# Altium PCB PMSM_LCP037_V1.11.PcbDoc (part 2 of 2)
Units mil, origin at the board's own origin, x right, y up, seen from the top; angles counter-clockwise.
Board outline 6102.36 x 5157.48 mil, 2 copper layers (Top Layer, Bottom Layer); 103 components, 55 nets, 270 pads, 892 vias.
Unrouted connection lines stored in the file: 2.
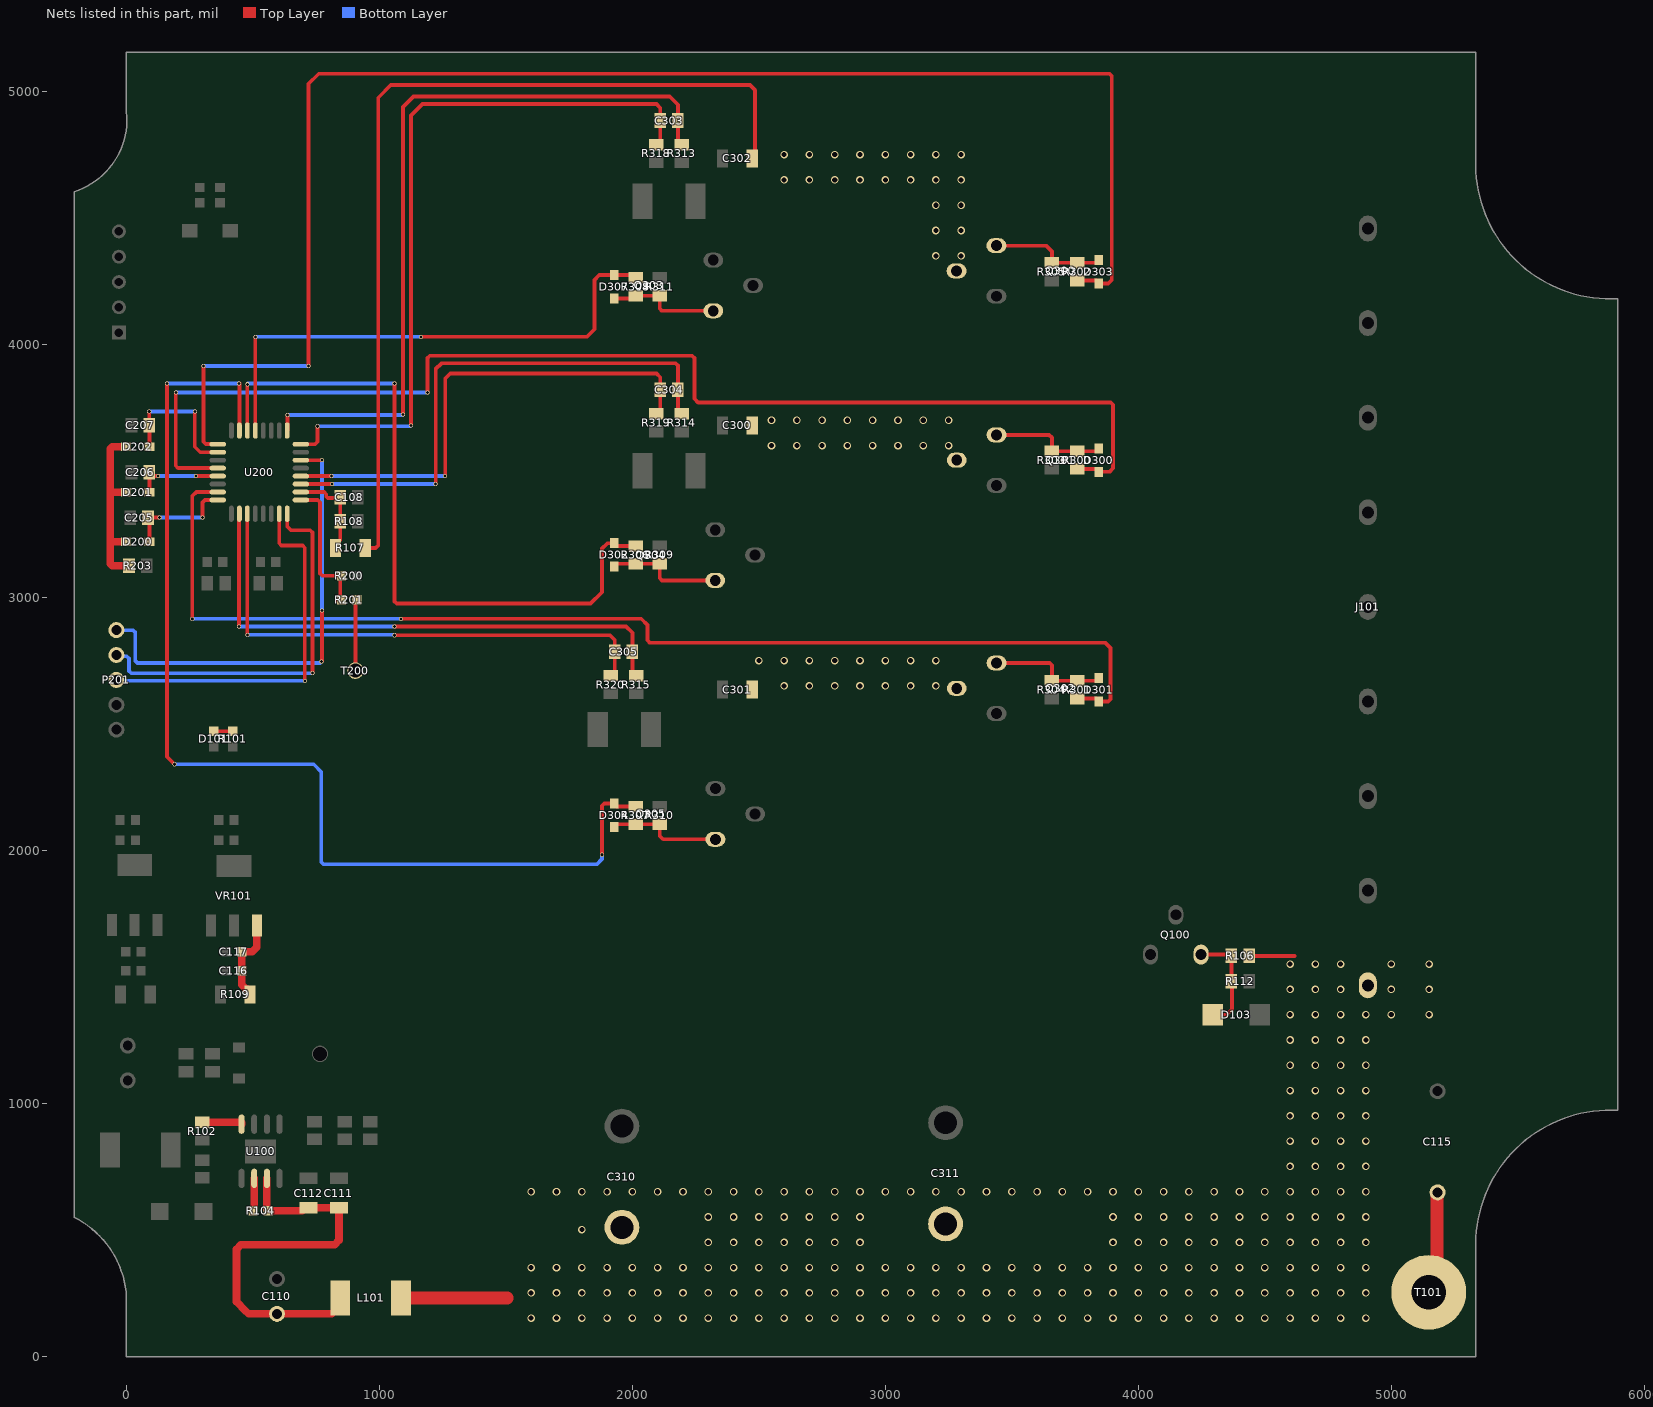
[diagram p2: the nets of this part, all layers, seen from the top]

## Via types
v1: diameter 30, hole 20, Top Layer to Bottom Layer, 774 vias
v2: diameter 16, hole 12, Top Layer to Bottom Layer, 98 vias
v3: diameter 30, hole 15, Top Layer to Bottom Layer, 14 vias
v4: diameter 24, hole 12, Top Layer to Bottom Layer, 4 vias
v5: diameter 65, hole 55, Top Layer to Bottom Layer, 1 vias
v6: diameter 20, hole 10, Top Layer to Bottom Layer, 1 vias

## Nets (pads, with @x,y where several pads share a name; then routed paths per layer and width w, separated by ;. In a path a pad name is that pad's centre, name@x,y a point inside that pad or via, vN(x,y) a via of type N, cw(c..) or ccw(c..) an arc to the next point about the centre after c; other vN are vias at no path point) (continued)
NetC110_1: C110.1 C111.2 C112.2 L101.2 R104.2 U100.3 | length 1643.3
  Top Layer w30: U100.3@555,702.89 555,581.3 560.32,575.98 R104.2@560.32,575 695.47,575 706.81,586.34 C112.2@720,586.34 C111.2@840,586.34 840,457.57 822.43,440 452.57,440 435,422.43 435,215 470.01,179.99 482.8,167.2 C110.1@595,167.2 811.73,167.2 845,200.47 L101.2@845,230
NetC116_2: C116.2 C117.2 R109.2 VR101.3 | length 340.3
  Top Layer w30: R109.2@488.66,1430 488.66,1443.19 481.42,1450.43 472.89,1450.43 455.32,1468.01 C116.2@455.32,1523.31 C117.2@455.32,1598.31 497.43,1598.31 515,1615.88 515,1701.34 VR101.3@515.55,1701.89
NetD101_A: D101.A R101.1 | length 75
  Top Layer w15: D101.A@345,2470.32 R101.1@420,2470.31
NetD103_2: D103.2 Q100.1 R106.1 R112.2 | length 414.5
  Top Layer w15: Q100.1@4248.31,1587.52 4358.31,1587.52 R106.1@4363.31,1592.52 ; D103.2@4294.11,1350 4350,1350 4370,1370 4370,1485.83 4368.27,1487.56 R106.1@4368.27,1582.52
NetD200_1: D200.1 D201.1 D202.1 R203.2 | length 731.8
  Top Layer w30: D201.1@-1.57,3415 -57.5,3415 -65,3407.5 ; D202.1@-1.57,3595 -56.21,3595 -65,3586.21 -65,3407.5 ; D200.1@-1.46,3220 -56.21,3220 -65,3228.79 ; R203.2@9.96,3125 -56.21,3125 -65,3133.79 -65,3228.79 ; -65,3228.79 -65,3407.5
NetD300_1: D300.1 Q301.1 R300.2 R303.2 | length 467.9
  Top Layer w15: Q301.1@3439.8,3642.2 3647.32,3642.2 3658.31,3631.21 R303.2@3658.31,3577.56 R300.2@3758.31,3577.6 R300.2@3758.31,3577.6 3834.47,3577.6 3843.31,3586.44 D300.1@3843.31,3588.98
NetD301_1: D301.1 Q302.1 R301.2 R304.2 | length 474.7
  Top Layer w15: Q302.1@3439.8,2740.24 3440.04,2740 3649.52,2740 3658.31,2731.21 R304.2@3658.31,2670.04 R301.2@3758.31,2670.04 3834.47,2670.04 3843.31,2678.88 D301.1@3843.31,2681.46
NetD302_1: D302.1 Q304.1 R306.2 R309.2 | length 465.9
  Top Layer w15: D302.1@1928.31,3121.06 1928.31,3123.64 1937.15,3132.48 R306.2@2013.31,3132.48 R309.2@2108.31,3132.48 2108.31,3075.79 2117.09,3067.01 Q304.1@2327.6,3067.01
NetD303_1: D303.1 Q300.1 R302.2 R305.2 | length 464.4
  Top Layer w15: Q300.1@3439.02,4390.24 3634.76,4390.24 3658.31,4366.69 R305.2@3658.31,4322.56 R302.2@3758.31,4322.56 3834.47,4322.56 3843.31,4331.4 D303.1@3843.31,4333.98
NetD304_1: D304.1 Q305.1 R307.2 R310.2 | length 457.2
  Top Layer w15: D304.1@1928.31,2091.06 1928.31,2093.64 1937.15,2102.48 R307.2@2013.31,2102.48 R310.2@2108.31,2102.48 2108.31,2056.69 2121.61,2043.39 Q305.1@2327.99,2043.39
NetD307_1: D307.1 Q303.1 R308.2 R311.2 | length 459.3
  Top Layer w15: D307.1@1923.31,4192.52 1934.76,4181.06 2001.89,4181.06 R308.2@2013.31,4192.48 R308.2@2013.31,4192.48 R311.2@2108.31,4192.48 2108.31,4141.31 2117.09,4132.52 Q303.1@2318.31,4132.52
NetR102_2: R102.2 U100.8 | length 161.1
  Top Layer w30: R102.2@300,925.04 451.85,925.04 455,921.89 U100.8@455,917.11
NetR104_1: R104.1 U100.2 | length 130.1
  Top Layer w30: R104.1@499.69,575 499.69,575.98 505,581.3 U100.2@505,702.89
NetR200_1: R200.1 R201.2 U200.9 | length 545.1
  Top Layer w15: U200.9@689.37,3384.76 756.21,3384.76 765,3375.98 765,3093.79 773.79,3085 844.96,3085 R201.2@844.96,2990 ; R201.2@834.96,2985 R201.2@834.96,2990
NetR201_1: R201.1 T200.1 | length 284.2
  Top Layer w15: T200.1@905,2710 905,2979.96 R201.1@915.04,2990
OPA0N: C303.1 R318.1 U200.16 | length 2888.3
  Top Layer w15: U200.16@689.37,3605.24 745,3605.24 755,3615.24 v2(755,3676.21) ; v2(1125,3680) 1125,4905 1170,4950 2095,4950 2109.96,4935.04 C303.1@2109.96,4885 2109.96,4805 R318.1@2095,4790.04
  Bottom Layer w15: v2(755,3676.21) 1121.21,3676.21 v2(1125,3680)
OPA0P: C303.2 R313.1 U200.17 | length 3016.3
  Top Layer w15: U200.17@635.24,3659.37 635.98,3660.12 v2(635.98,3720.98) ; v2(1092.99,3722.99) 1092.99,4937.99 1135,4980 2147.42,4980 2180.04,4947.38 C303.2@2180.04,4885 2180.04,4805 R313.1@2195,4790.04
  Bottom Layer w15: v2(635.98,3720.98) 1090.98,3720.98 v2(1092.99,3722.99)
OPA1N: C305.1 R320.1 U200.3 | length 2086.7
  Top Layer w15: U200.3@477.76,3330.63 477.76,2852.24 v2(478.32,2851.68) ; v2(1060,2850) 1911.17,2850 1929.96,2831.21 C305.1@1929.96,2785 1929.96,2705 R320.1@1915,2690.04
  Bottom Layer w15: v2(478.32,2851.68) 1058.32,2851.68 v2(1060,2850)
OPA1P: C305.2 R315.1 U200.2 | length 2187.7
  Top Layer w15: v2(445,2885) 445,3329.37 U200.2@446.26,3330.63 ; v2(1060,2885) 1975,2885 2000.04,2859.96 C305.2@2000.04,2785 2000.04,2705 R315.1@2015,2690.04
  Bottom Layer w15: v2(445,2885) v2(1060,2885)
OPA2N: C304.1 R319.1 U200.12 | length 1971.3
  Top Layer w15: U200.12@689.37,3479.25 v2@810,3479.25 ; v2(1260,3480) 1260,3865 1280,3885 2095,3885 2109.96,3870.04 C304.1@2109.96,3820 2109.96,3740 R319.1@2095,3725.04
  Bottom Layer w15: v2(810,3480) v2(1260,3480)
OPA2P: C304.2 R314.1 U200.11 | length 2155.6
  Top Layer w15: U200.11@689.37,3447.76 v2(812.76,3447.76) ; v2(1222.24,3447.76) 1222.24,3902.24 1245,3925 2171.25,3925 2180.04,3916.21 C304.2@2180.04,3820 2180.04,3740 R314.1@2195,3725.04
  Bottom Layer w15: v2(812.76,3447.76) v2(1222.24,3447.76)
PA0-DIO: P201.3 U200.7 | length 1498
  Top Layer w15: U200.7@603.74,3330.63 603.74,3213.79 612.53,3205 696.21,3205 705,3196.21 v2(705,2670)
  Bottom Layer w15: P201.3@-40,2673.43 -36.57,2670 v2(705,2670)
PA1-CLK: P201.2 U200.8 | length 1550.1
  Top Layer w15: U200.8@635.24,3330.63 635.24,3279.76 650,3265 726.21,3265 735,3256.21 v2(735,2700)
  Bottom Layer w15: P201.2@-40,2771.85 -34.85,2766.7 1.21,2766.7 10,2757.92 10,2708.79 18.79,2700 v2(735,2700)
PE: C115.2 T101.6 | length 409.5
  Top Layer w50: T101.6@5148.31,252.52 5180.82,285.03 5180.82,645.03 C115.2@5183.31,647.52
POWER: C300.2 C301.2 C302.2 C310.1 C311.1 J101.1 L101.1 Q300.2 Q301.2 Q302.2 R106.2 R107.2 | length 4226.2
  Top Layer w15: R107.2@943.66,3195 985,3195 995,3205 995,4975 1045,5025 2465,5025 2485,5005 2485,4746.34 C302.2@2473.66,4735 ; R106.2@4438.35,1582.52 4618.31,1582.52
  Top Layer w30: 1505,230 1510,235
  Top Layer w50: L101.1@1085,230 1505,230
  other v1: 1600,150 1700,150 1800,150 1900,150 2000,150 2100,150 2200,150 2300,150 2400,150 2500,150 2600,150 2700,150 2800,150 2900,150 3000,150 3100,150 3200,150 3300,150 3400,150 3500,150 3600,150 3700,150 3800,150 3900,150 4000,150 4100,150 4200,150 4300,150 4400,150 4500,150 4600,150 4700,150 4800,150 4900,150 1600,250 1700,250 1800,250 1900,250 2000,250 2100,250 2200,250 2300,250 2400,250 2500,250 2600,250 2700,250 2800,250 2900,250 3000,250 3100,250 3200,250 3300,250 3400,250 3500,250 3600,250 3700,250 3800,250 3900,250 4000,250 4100,250 4200,250 4300,250 4400,250 4500,250 4600,250 4700,250 4800,250 4900,250 1600,350 1700,350 1800,350 1900,350 2000,350 2100,350 2200,350 2300,350 2400,350 2500,350 2600,350 2700,350 2800,350 2900,350 3000,350 3100,350 3200,350 3300,350 3400,350 3500,350 3600,350 3700,350 3800,350 3900,350 4000,350 4100,350 4200,350 4300,350 4400,350 4500,350 4600,350 4700,350 4800,350 4900,350 2300,450 2400,450 2500,450 2600,450 2700,450 2800,450 2900,450 3900,450 4000,450 4100,450 4200,450 4300,450 4400,450 4500,450 4600,450 4700,450 4800,450 4900,450 1800,500 2300,550 2400,550 2500,550 2600,550 2700,550 2800,550 2900,550 3900,550 4000,550 4100,550 4200,550 4300,550 4400,550 4500,550 4600,550 4700,550 4800,550 4900,550 1600,650 1700,650 1800,650 1900,650 2000,650 2100,650 2200,650 2300,650 2400,650 2500,650 2600,650 2700,650 2800,650 2900,650 3000,650 3100,650 3200,650 3300,650 3400,650 3500,650 3600,650 3700,650 3800,650 3900,650 4000,650 4100,650 4200,650 4300,650 4400,650 4500,650 4600,650 4700,650 4800,650 4900,650 4600,750 4700,750 4800,750 4900,750 4600,850 4700,850 4800,850 4900,850 4600,950 4700,950 4800,950 4900,950 4600,1050 4700,1050 4800,1050 4900,1050 4600,1150 4700,1150 4800,1150 4900,1150 4600,1250 4700,1250 4800,1250 4900,1250 4600,1350 4700,1350 4800,1350 4900,1350 5000,1350 5150,1350 4600,1450 4700,1450 4800,1450 5000,1450 5150,1450 4600,1550 4700,1550 4800,1550 5000,1550 5150,1550 2600,2650 2700,2650 2800,2650 2900,2650 3000,2650 3100,2650 3200,2650 2500,2750 2600,2750 2700,2750 2800,2750 2900,2750 3000,2750 3100,2750 3200,2750 2550,3600 2650,3600 2750,3600 2850,3600 2950,3600 3050,3600 3150,3600 3250,3600 2550,3700 2650,3700 2750,3700 2850,3700 2950,3700 3050,3700 3150,3700 3250,3700 3200,4350 3300,4350 3200,4450 3300,4450 3200,4550 3300,4550 2600,4650 2700,4650 2800,4650 2900,4650 3000,4650 3100,4650 3200,4650 3300,4650 2600,4750 2700,4750 2800,4750 2900,4750 3000,4750 3100,4750 3200,4750 3300,4750
STB_PB0: P201.1 U200.14 | length 1815.6
  Top Layer w15: U200.14@689.37,3542.24 v2(772.76,3542.24) ; v2@770,2745 v2(771.38,2746.38) 772.76,2747.76 v2(772.76,2947.24)
  Bottom Layer w15: P201.1@-40,2870.28 -39.72,2870 26.21,2870 35,2861.21 35,2748.79 43.79,2740 765,2740 v2(771.38,2746.38) ; v2(772.76,2947.24) v2(772.76,3542.24)
UH: D303.2 R302.1 U200.25 | length 6039.8
  Top Layer w15: v2(305,3915) 305,3615 314.02,3605.98 359.88,3605.98 U200.25@360.63,3605.24 ; v2(720,3915) 720,5030 760,5070 3886.21,5070 3895,5061.21 3895,4255 3881.06,4241.06 D303.2@3843.31,4241.06 3843.31,4243.64 3834.47,4252.48 R302.1@3758.31,4252.48
  Bottom Layer w15: v2(305,3915) v2(720,3915)
UL: D307.2 R308.1 U200.21 | length 2088.2
  Top Layer w15: U200.21@509.25,3659.37 v2(509.25,4030) ; v2(1165,4030) 1820,4030 1850,4060 1850,4255 1868.98,4273.98 D307.2@1928.31,4273.98 ; D307.2@1934.76,4273.98 2001.89,4273.98 R308.1@2013.31,4262.56
  Bottom Layer w15: v2(509.25,4030) v2(1165,4030)
VB-U: C205.2 D200.2 U200.32 | length 437.2
  Top Layer w15: D200.2@91.46,3220 91.46,3308.58 C205.2@85.04,3315 v2(130,3315) ; v2(300,3315) 300,3374.76 310,3384.76 U200.32@360.63,3384.76
  Bottom Layer w15: v2(130,3315) v2(300,3315)
VB-V: C206.2 D201.2 U200.29 | length 356
  Top Layer w15: C206.2@89.92,3495 91.34,3493.58 C206.2@91.34,3493.17 ; D201.2@91.34,3415 C206.2@91.34,3493.17 ; v2(124.57,3479.25) 105.26,3479.25 C206.2@91.34,3493.17 ; v2@275,3479.25 U200.29@360.63,3479.25
  Bottom Layer w15: v2(124.57,3479.25) 274.25,3479.25 v2(275,3480)
VB-W: C207.2 D202.2 U200.26 | length 560.1
  Top Layer w15: v2(90,3735) 89.92,3734.92 C207.2@89.92,3680 91.34,3678.58 D202.2@91.34,3595 ; v2(270,3735) 270,3595 291.26,3573.74 U200.26@360.63,3573.74
  Bottom Layer w15: v2(90,3735) v2(270,3735)
Vdect: C108.2 R107.1 R108.2 U200.10 | length 379.1
  Top Layer w15: U200.10@689.37,3416.26 781.21,3416.26 790,3407.47 790,3398.79 796.14,3392.64 842.61,3392.64 C108.2@844.96,3395 R108.2@844.96,3300 844.96,3226.81 826.34,3208.19 R107.1@826.34,3195
VH: D300.2 R300.1 U200.28 | length 4884
  Top Layer w15: v2(195,3810) 195,3520 204.25,3510.75 U200.28@360.63,3510.75 ; v2(1190,3810) 1190,3946.21 1198.79,3955 2236.21,3955 2245,3946.21 2245,3785 2260,3770 3891.21,3770 3900,3761.21 3900,3510 3886.06,3496.06 D300.2@3843.31,3496.06 3843.31,3498.68 3834.47,3507.52 R300.1@3758.31,3507.52
  Bottom Layer w15: v2(195,3810) v2(1190,3810)
VL: D302.2 R306.1 U200.22 | length 2790.9
  Top Layer w15: U200.22@477.76,3659.37 v2(477.76,3842.24) ; v2(1060,3845) 1060,2983.79 1068.79,2975 1835,2975 1880,3020 1880,3192.83 1901.14,3213.98 D302.2@1928.31,3213.98 1928.31,3211.4 1937.15,3202.56 R306.1@2013.31,3202.56
  Bottom Layer w15: v2(477.76,3842.24) 480.51,3845 v2(1060,3845)
WH: D301.2 R301.1 U200.31 | length 4649.4
  Top Layer w15: v2(260,2915) 260,3400 276.26,3416.26 U200.31@360.63,3416.26 ; v2(1085,2915) 2035,2915 2060,2890 2060,2830 2070,2820 3870,2820 3890,2800 3890,2597.33 3881.21,2588.54 D301.2@3843.31,2588.54 3843.31,2591.12 3834.47,2599.96 R301.1@3758.31,2599.96
  Bottom Layer w15: v2(260,2915) v2(1085,2915)
WL: D304.2 R307.1 U200.23 | length 4413.4
  Top Layer w15: v2(160,3845) 160,2370 v2(190,2340) ; U200.23@446.26,3659.37 v2@446.26,3845 ; v2(1880,1982.28) 1880,2176.21 1888.79,2185 1927.28,2185 D304.2@1928.31,2183.98 1928.31,2181.4 1937.15,2172.56 R307.1@2013.31,2172.56
  Bottom Layer w15: v2(160,3845) v2(445,3845) ; v2(190,2340) 740,2340 770,2310 770,1953.79 778.79,1945 1860,1945 1880,1965 v2(1880,1982.28)
pads on no net: J101.6 J101.7 J101.8 J101.9 Q300. Q301. Q302. Q303. Q304. Q305. U100.6 U100.7 U100.9 U200.13
copper on no net: | length 160.5
  Top Layer w15: 689.37,3510.75 815.08,3510.75 839.02,3534.68 840,3534.68
  other v4: 510.32,790.31 549.69,790.31 510.32,829.68 549.69,829.68

## Polygon pours and split planes (outlines as drawn)
ISENCE on Top Layer "ISENCE_L01_P087" (solid, remove dead copper, pour order 87): 2400,2537.5 2400,2770 2380,2790 2095,2790 2077.5,2772.5 2077.5,2510 2372.5,2510
DGND on Top Layer "DGND_L01_P108" (solid, remove dead copper, pour order 108): 1070,2805 1830,2805 1850,2785 1850,2645 1855,2640 1945,2640 1955,2630 1955,2250 1935,2230 1130,2230 1060,2300 1060,2795
DGND on Top Layer "DGND_L01_P107" (solid, remove dead copper, pour order 107): 1941.46,2578.54 1940,2580 1870,2580 1845,2605 1845,2790 1070,2805 1005,2735 1005,2640 955,2590 830,2590 810,2570 810,1245 825,1230 825,1090 835,1080 990,1080 1125,945 1125,865 1180,810 3755,810 3805,860 4195,1250 4195,1440 4195,1640 4180,1655 4045,1655 4030,1670 4030,1780 4010,1800 3260,1800 2470,1800 1865,1800 1835,1830 1835,2220 1845,2230 1935,2230 1950,2245 1950,2570 1940,2580 1870,2580 1845,2605 1845,2790 1830,2790 1070,2800
POWER on Top Layer "POWER_L01_P088" (solid, remove dead copper, pour order 88): 2435,2760 2435,2525 2450,2510 3284.97,2510 3330,2555.03 3330,2775 3315,2790 2465,2790
POWER on Top Layer "POWER_L01_P086" (solid, remove dead copper, pour order 86): 2440,3500 2455,3485 3225,3485 3330,3485 3355,3510 3355,3725 3340,3740 2445,3740 2440,3735
IV on Top Layer "IV_L01_P085" (solid, remove dead copper, pour order 85): 2417.87,3594.25 2417.87,3737.13 2405,3750 2260,3750 2255,3745 2255,3600 2265,3590 2413.62,3590
POWER on Top Layer "POWER_L01_P084" (solid, remove dead copper, pour order 84): 2440,4795 2455,4810 3345,4810 3375,4780 3375,4275 3350,4250 3180,4250 3150,4280 3150,4545 2465,4545 2440,4570
IU on Top Layer "IU_L01_P083" (solid, remove dead copper, pour order 83): 2410,4660 2410,4805 2405,4810 2270,4810 2265,4805 2265,4670 2275,4660
DGND on Top Layer "DGND_L01_P081" (solid, remove dead copper, pour order 81): 990,4700 1020,4670 1020,2795 980,2755 800,2755 770,2725 770,2010 735,1975 220,1975 110,2085 110,2965 60,3015 -105,3015 -150,3060 -150,4545 5,4700
DGND on Top Layer "DGND_L01_P079" (solid, remove dead copper, pour order 79): 970,1000 1050,920 1050,85 1015,50 440,50 420,70 420,415 350,485 40,485 -130,655 -130,975 -105,1000
ISENCE on Top Layer "ISENCE_L01_P069" (solid, remove dead copper, pour order 69): 1200,3845 2080,3845 2160,3765 2160,3305 2150,3295 2100,3295 2090,3285 2090,3105 2050,3065 1220,3065 1165,3120 1165,3810
ISENCE on Top Layer "ISENCE_L01_P067" (solid, remove dead copper, pour order 67): 1215,4755 2150,4755 2160,4745 2160,4370 2160,4105 2121.3,4066.3 1183.7,4066.29 1160,4090 1160,4700
ISENCE on Top Layer "ISENCE_L01_P066" (solid, remove dead copper, pour order 66): 2390,2560 2400,2550 2400,2135 2385,2120 2185,2120 2160,2145 2160,2280 2150,2290 2000,2290 1985,2305 1985,2550 1995,2560
IV on Top Layer "IV_L01_P065" (solid, remove dead copper, pour order 65): 2187.87,3594.25 2202.87,3609.25 2390.75,3609.25 2400,3600 2400,3200 2359.25,3159.25 2217.87,3159.25 2187.87,3189.25
DGND on Top Layer "DGND_L01_P064" (solid, remove dead copper, pour order 64): 980,1800 980,1195 2510,1195 2510,1760 2470,1800
MOTOR-C on Top Layer "MOTOR-C_L01_P062" (solid, remove dead copper, pour order 62): 2435,2455 2455,2475 3335,2475 3350,2490 3350,2595 3385,2630 3585,2630 3600,2615 3600,2450.51 3630.51,2420 3975,2420 4030,2365 5170,2365 5230,2305 5230,2095 5190,2055 4000,2055 3960,2015 3960,1840 2465,1840 2435,1870
MOTOR-B on Top Layer "MOTOR-B_L01_P061" (solid, remove dead copper, pour order 61): 2435,3450 2450,3465 3350,3465 3380,3495 3380,3570 3390,3580 3575,3580 3590,3565 3590,3420 3605,3405 4015,3405 4625,2795 5165,2795 5225,2735 5225,2440 5200,2415 4040,2415 3960,2495 3960,2785 3880,2865 2475,2865 2435,2905
MOTOR-A on Top Layer "MOTOR-A_L01_P060" (solid, remove dead copper, pour order 60): 2425,4500 2440,4515 3045,4515 3090,4470 3090,4225 3105,4210 3380,4210 3395,4225 3395,4295 3405,4305 3580,4305 3595,4290 4545,4290 4795,4040 4795,3230 5190,3230 5225,3195 5225,2915 5140,2830 4730,2830 4065,3495 4065,3740 3995,3810 2445,3810 2425,3830
IU on Top Layer "IU_L01_P059" (solid, remove dead copper, pour order 59): 2180,4660 2195,4675 2395,4675 2410,4660 2410,4235 2400,4225 2210,4225 2180,4255
GND on Top Layer "GND_L01_P053" (solid, remove dead copper, pour order 53): 5198.31,1672.52 5228.31,1702.52 5228.31,1987.52 5193.31,2022.52 4063.31,2022.52 4043.31,2002.52 4043.31,1692.52 4063.31,1672.52
POWER on Top Layer "POWER_L01_P052" (solid, remove dead copper, pour order 52): 4597.52,1647.52 4573.31,1623.31 4573.31,1232.52 4093.31,752.52 3718.31,752.52 1543.31,752.52 1483.31,692.52 1483.31,67.52 1508.31,42.52 4927.52,42.52 4950,65 4950,414.21 5098.31,562.52 5098.31,1162.52 5203.31,1162.52 5223.31,1182.52 5223.31,1597.52 5228.31,1602.52 5183.31,1647.52
DGND on Bottom Layer "NONET_L02_P-001" (solid, remove dead copper, pour order 110): 3450,1800 3385,1735 3385,1255 3330,1200 3115,1200 3040,1125 3040,815 3070,785 4090,785 4110,805 4110,1110 4145,1145 4300,1145 4340,1185 4340,1470 4310,1500 4205,1500 4195,1510 4195,1640 4180,1655 4095,1655 4085,1665 4085,1780 4065,1800
MOTOR-C on Bottom Layer "MOTOR-C_L02_P101" (solid, remove dead copper, pour order 101): 2435,1870 2465,1840 2580,1840 2615,1875 2615,2470 2595,2490 2460,2490 2435,2465
MOTOR-B on Bottom Layer "MOTOR-B_L02_P100" (solid, remove dead copper, pour order 100): 2450,3465 2435,3450 2435,2905 2475,2865 2595,2865 2615,2885 2615,3450 2600,3465
MOTOR-A on Bottom Layer "MOTOR-A_L02_P099" (solid, remove dead copper, pour order 99): 2425,4500 2425,3830 2445,3810 2570,3810 2600,3840 2600,4505 2575,4530 2455,4530
POWER on Bottom Layer "POWER_L02_P098" (solid, remove dead copper, pour order 98): 2440,4795 2455,4810 3345,4810 3375,4780 3375,4275 3350,4250 3180,4250 3150,4280 3150,4545 3091.18,4603.82 2466.18,4603.82 2440,4630
POWER on Bottom Layer "POWER_L02_P097" (solid, remove dead copper, pour order 97): 2440,3500 2455,3485 3225,3485 3330,3485 3355,3510 3355,3725 3340,3740 2445,3740 2440,3735
POWER on Bottom Layer "POWER_L02_P096" (solid, remove dead copper, pour order 96): 2435,2760 2435,2585 2475.46,2544.54 3319.51,2544.54 3330,2555.03 3330,2775 3315,2790 2465,2790
GND on Bottom Layer "GND_L02_P095" (solid, remove dead copper, pour order 95): 4063.31,2022.52 4043.31,2002.52 4043.31,1816.69 4055,1805 4110,1805 4120,1795 4120,1690 4135,1675 5200.79,1675 5228.31,1702.52 5228.31,1987.52 5193.31,2022.52
MOTOR-C on Bottom Layer "MOTOR-C_L02_P094" (solid, remove dead copper, pour order 94): 3385,1865 3410,1840 3945,1840 3960,1855 3960,2015 4000,2055 5190,2055 5230,2095 5230,2310 5175,2365 4030,2365 3975,2420 3895,2420 3843.31,2471.69 3843.31,2629.88 3399.88,2629.88 3385,2615
MOTOR-B on Bottom Layer "MOTOR-B_L02_P093" (solid, remove dead copper, pour order 93): 3390,3580 3380,3570 3380,2815 3390,2805 3905,2805 3940,2770 3940,2490 4015,2415 5200,2415 5230,2445 5230,2730 5165,2795 4635,2795 3995,3435 3995,3545 3960,3580
MOTOR-A on Bottom Layer "MOTOR-A_L02_P092" (solid, remove dead copper, pour order 92): 3395,4295 3395,4225 3380,4210 3380,3750 3410,3720 4058.86,3720 4080,3698.86 4080,3482.72 4723.86,2838.86 5143.86,2838.86 5230,2925 5230,3185 5190,3225 5190,3230 4875,3230 4795,3310 4795,4040 4530,4305 3405,4305
DGND on Bottom Layer "DGND_L02_P091" (solid, remove dead copper, pour order 91): 3040,810 3040,1160 3060,1180 3095,1180 3400,1485 3400,1750 3440,1790 4075,1790 4085,1780 4085,1665 4100.5,1649.5 4151.33,1649.5 4163.31,1637.52 4163.31,1447.52 4018.31,1302.52 3740,1024.21 3740,861.59 3675.14,796.73 3053.27,796.73
DGND on Bottom Layer "DGND_L02_P090" (solid, remove dead copper, pour order 90): 875,1865 810,1800 810,1285 1287.48,807.52 2242.52,807.52 2290,855 2290,1800 2225,1865
DGND on Bottom Layer "DGND_L02_P082" (solid, remove dead copper, pour order 82): 990,4700 1020,4670 1020,2795 980,2755 800,2755 770,2725 770,2010 735,1975 220,1975 110,2085 110,2965 60,3015 -105,3015 -150,3060 -150,4545 5,4700
DGND on Bottom Layer "DGND_L02_P080" (solid, remove dead copper, pour order 80): 1075,1000 1185,890 1185,150 1085,50 440,50 420,70 420,415 350,485 40,485 -130,655 -130,975 -105,1000
ISENCE on Bottom Layer "ISENCE_L02_P078" (solid, remove dead copper, pour order 78): 2370,2915 2400,2885 2400,2135 2385,2120 2060,2120 2060,2290 2000,2290 1985,2305 1985,2885 2015,2915
IV on Bottom Layer "IV_L02_P077" (solid, remove dead copper, pour order 77): 2186.87,3595.26 2201.87,3610.26 2389.74,3610.26 2400,3600 2400,3200 2360.26,3160.26 2216.87,3160.26 2186.87,3190.26
IU on Bottom Layer "IU_L02_P076" (solid, remove dead copper, pour order 76): 2180,4660 2195,4675 2395,4675 2410,4660 2410,4235 2400,4225 2210,4225 2180,4255
ISENCE on Bottom Layer "ISENCE_L02_P063" (solid, remove dead copper, pour order 63): 2125,4755 2125,2180 2066.77,2121.77 1218.23,2121.77 1160,2180 1160,4695 1220,4755
POWER on Bottom Layer "POWER_L02_P057" (solid, remove dead copper, pour order 57): 2328.31,722.52 2328.31,1682.52 2428.31,1782.52 2630,1782.52 2630,4715 2730,4815 3310,4815 3358.31,4766.69 3358.31,1488.31 3065,1195 2985,1195 2985,722.52
POWER on Bottom Layer "POWER_L02_P055" (solid, remove dead copper, pour order 55): 4616.54,1648.39 4586.54,1618.39 4586.54,1248.39 4571.54,1233.39 4091.54,753.39 3716.54,753.39 1541.54,753.39 1481.54,693.39 1481.54,68.39 1506.54,43.39 4928.39,43.39 4950,65 4950,416.85 5096.54,563.39 5096.54,1163.39 5201.54,1163.39 5221.54,1183.39 5221.54,1598.39 5226.54,1603.39 5181.54,1648.39

## Other copper
Top Layer:
  pour cut-out: 3974.96,922.52 ccw(c4148.31,922.52) 4148.31,749.17 ccw(c4148.31,922.52) 4321.66,922.52 ccw(c4148.31,922.52) 4148.31,1095.87 ccw(c4148.31,922.52)
  pour cut-out: 1490.04,2143.19 ccw(c1663.39,2143.19) 1663.39,1969.84 ccw(c1663.39,2143.19) 1836.74,2143.19 ccw(c1663.39,2143.19) 1663.39,2316.54 ccw(c1663.39,2143.19)
  pour cut-out: 1490.04,3166.81 ccw(c1663.39,3166.81) 1663.39,2993.46 ccw(c1663.39,3166.81) 1836.74,3166.81 ccw(c1663.39,3166.81) 1663.39,3340.16 ccw(c1663.39,3166.81)
  pour cut-out: 1482.16,4233.74 ccw(c1655.51,4233.74) 1655.51,4060.39 ccw(c1655.51,4233.74) 1828.86,4233.74 ccw(c1655.51,4233.74) 1655.51,4407.09 ccw(c1655.51,4233.74)
  pour cut-out: 3930.98,4288.86 ccw(c4104.33,4288.86) 4104.33,4115.51 ccw(c4104.33,4288.86) 4277.68,4288.86 ccw(c4104.33,4288.86) 4104.33,4462.21 ccw(c4104.33,4288.86)
  pour cut-out: 3930.98,3540.83 ccw(c4104.33,3540.83) 4104.33,3367.48 ccw(c4104.33,3540.83) 4277.68,3540.83 ccw(c4104.33,3540.83) 4104.33,3714.18 ccw(c4104.33,3540.83)
  pour cut-out: 3930.98,2639.25 ccw(c4104.33,2639.25) 4104.33,2465.9 ccw(c4104.33,2639.25) 4277.68,2639.25 ccw(c4104.33,2639.25) 4104.33,2812.6 ccw(c4104.33,2639.25)
Bottom Layer:
  pour cut-out: 1489.96,2147.52 ccw(c1663.31,2147.52) 1663.31,1974.17 ccw(c1663.31,2147.52) 1836.66,2147.52 ccw(c1663.31,2147.52) 1663.31,2320.87 ccw(c1663.31,2147.52)
  pour cut-out: 1489.96,3167.52 ccw(c1663.31,3167.52) 1663.31,2994.17 ccw(c1663.31,3167.52) 1836.66,3167.52 ccw(c1663.31,3167.52) 1663.31,3340.87 ccw(c1663.31,3167.52)
  pour cut-out: 1484.96,4232.52 ccw(c1658.31,4232.52) 1658.31,4059.17 ccw(c1658.31,4232.52) 1831.66,4232.52 ccw(c1658.31,4232.52) 1658.31,4405.87 ccw(c1658.31,4232.52)
  pour cut-out: 3930.95,4288.73 ccw(c4104.3,4288.73) 4104.3,4115.38 ccw(c4104.3,4288.73) 4277.65,4288.73 ccw(c4104.3,4288.73) 4104.3,4462.08 ccw(c4104.3,4288.73)
  pour cut-out: 3929.96,3542.52 ccw(c4103.31,3542.52) 4103.31,3369.17 ccw(c4103.31,3542.52) 4276.66,3542.52 ccw(c4103.31,3542.52) 4103.31,3715.87 ccw(c4103.31,3542.52)
  pour cut-out: 3929.96,2637.52 ccw(c4103.31,2637.52) 4103.31,2464.17 ccw(c4103.31,2637.52) 4276.66,2637.52 ccw(c4103.31,2637.52) 4103.31,2810.87 ccw(c4103.31,2637.52)
  pour cut-out: 3974.96,922.52 ccw(c4148.31,922.52) 4148.31,749.17 ccw(c4148.31,922.52) 4321.66,922.52 ccw(c4148.31,922.52) 4148.31,1095.87 ccw(c4148.31,922.52)

## Silkscreen, mask and mechanical layers (free items; w line width, h text height)
Top Overlay:
  circle w10: c187.01,4899.09 r157.48
  circle w10: c5147.64,4899.09 r157.48
  circle w10: c187.01,253.43 r157.48
  circle w10: c5147.64,253.43 r157.48
  lines w10: -115,3945 -115,4545 ; 1662.05,4229.61 1662.05,4230 ; 1662.44,3167.01 1662.83,3167.01 ; 1662.83,2143.39 1663.23,2143.39
  text "光伏水泵控制LCP037" at 2788.31,4921.67 h150
  text "2023-11-20-V1.11" at 2799.93,4801.27 h120
  text "DGND" at 629.92,4763.78 h40
  text "复位" at 472.44,4416.45 h80
  text "CLK" at 125.75,4314.85 h80
  text "DIO" at 125.75,4213.52 h80
  text "DG" at 125.75,4112.18 h80
  text "5V" at 139.1,4010.85 h80
  text "下载口" at -99.95,3867 h80
  text "U" at 5273.62,2885.47 h200
  text "STB_PB0" at 105,2844.25 h80
  text "CLK_PA1" at 105,2746.99 h80
  text "DIO_PA0" at 105,2649.72 h80
  text "GD" at 105,2539.06 h80
  text "V" at 5269.69,2489.65 h200
  text "5V" at 105,2441.79 h80
  text "5V指示" at 280,2286.7 h80
  text "W" at 5253.94,2131.38 h200
  text "-" at 5293.31,1746.86 h300
  text "+" at 5281.5,1398.03 h200
  text "12V" at 700,1095 h80
  text "外壳" at 5088.64,25.35 h90
Top Solder:
  drawing of 244 lines, arcs and shapes, not listed
Bottom Solder:
  drawing of 164 lines, arcs and shapes, not listed
Mechanical 1:
  circle w10: c4104.57,2640.24 r157.48
  circle w10: c4143.7,922.72 r157.48
  circle w10: c4103.78,3542.2 r157.48
  circle w10: c4103.78,4288.86 r157.48
  circle w10: c1662.83,2143.39 r157.48
  circle w10: c1662.83,3167.01 r157.48
  circle w10: c1662.83,4230 r157.48
  circle w10: c187.72,252.99 r68.9
  circle w10: c187.72,4897.68 r68.9
  circle w10: c5147.64,4899.09 r68.9
  pour cut-out: 4104.57,2482.76 cw(c4104.57,2640.24) 3947.09,2640.24 cw(c4104.57,2640.24) 4104.57,2797.72 cw(c4104.57,2640.24) 4262.05,2640.24 cw(c4104.57,2640.24)
  lines w10: -206.69,548.7 cw(c-374.92,213) 0,233.74 0,-2.48 5334.65,-2.48 5334.65,469.96 cw(c5866.14,440.43) 5895.67,971.93 5895.67,4180.59 cw(c5866.14,4712.09) 5334.65,4682.56 5334.65,5155 0,5155 0,4918.78 cw(c-297.17,4888.49) -206.69,4603.82 -206.69,2576.26 -206.69,548.7